# Altium PCB LoadWrover_HRD.PcbDoc (continued)
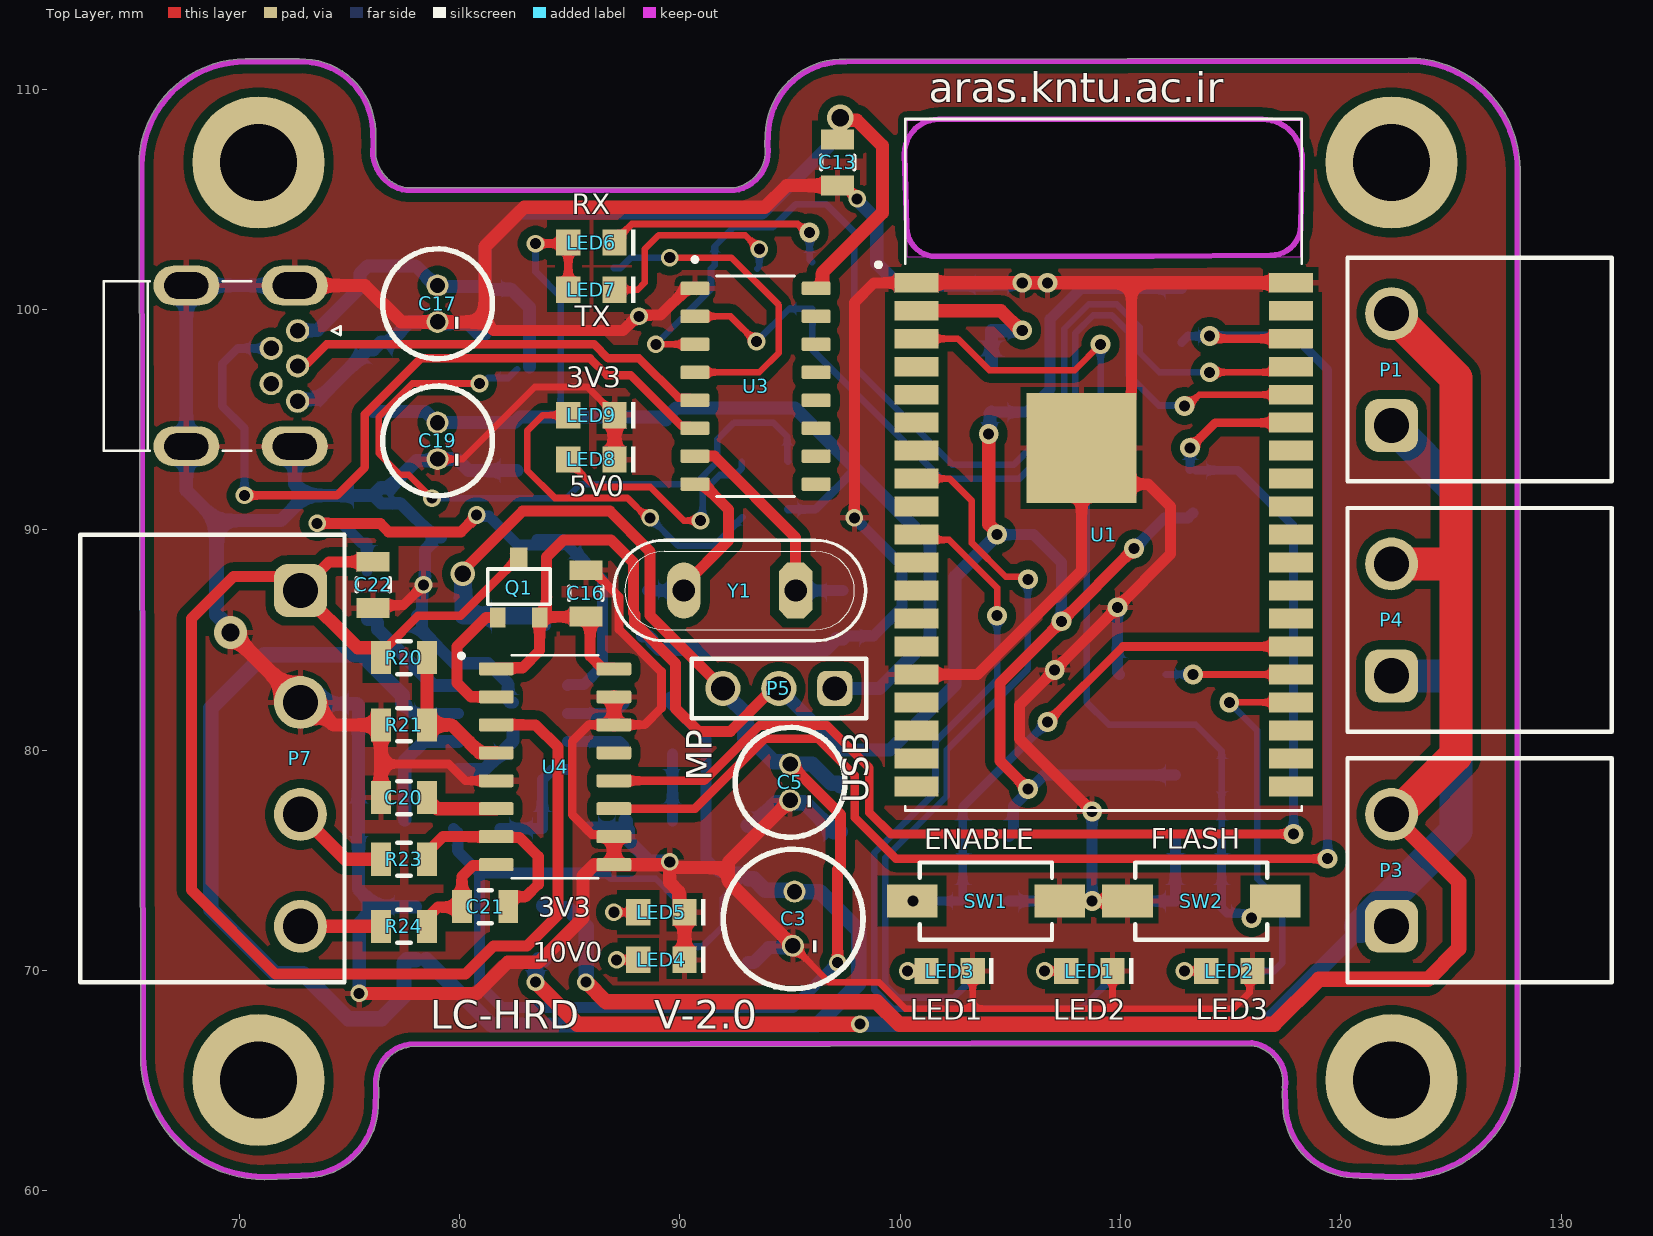
[diagram p0: Top Layer view]
## Footprints (in the part's own frame and the unit in brackets; to place one, negate y for a bottom-side part, rotate by r counter-clockwise, add the part's x,y. Pads: shape width x height; smd on the part's side, far side on the other; paste and mask are expansions set on the pad) (continued)
MY_SMD_TRANSISTOR [mm]
  rect 0.9x0.7 smd: B(1.35,-0.95) E(1.35,0.95)
  rect 0.9x0.8 smd: C(-1.37,0)
  silkscreen extent -0.85,-1.4 0.75,1.42, body extent -1.37,-1.5 1.27,1.5, height 1.08
"SMD 805" [mm]
  rect 0.9x1.5 smd: 1(1.05,0) 2(-1.05,0)
  silkscreen extent -0.3,-0.75 0.3,0.75, body extent -1,-0.62 1,0.63, height 0.78
"SMD 805 CAP" [mm]
  rect 0.9x1.5 smd: 1(1.05,0) 2(-1.05,0)
  silkscreen extent -0.3,-0.75 0.3,0.75, body extent -1,-0.62 1,0.63, height 0.78
USB_MINI_Right [mm]
  oval 1.1x1.65 smd far side paste-2 mask+0: 1(-1.6,2.663) 2(-0.8,0.913) 3(0,2.663) 4(0.8,0.913) 5(1.6,2.663)
  round 1.05 hole 0.7: 6(-1.6,2.388) 7(-0.8,1.188) 8(0,2.388) 9(0.8,1.188) 10(1.6,2.388)
  oval 1.8x3 hole 1.2 slot 2 at 90 deg mask+0: 11(-3.65,-2.662) 12(-3.65,2.261) 12(3.65,2.261) 12(3.65,-2.662)
  oval 1.7x2.7 smd far side paste-2 mask+0: S1(-3.65,-2.662) S2(3.65,-2.662)
  silkscreen extent -3.85,-6.41 3.85,4.34, body extent -3.95,-6.43 3.95,2.97, height 3.9
WS-TASV_L6W3.5H4.3_4341x10438x6 [mm] "SMD Tact Switch, body 6x3.5mm"
  rect 2.3x1.5 smd: 1(-3.35,0) 2(3.35,0)
  silkscreen extent -3,-1.75 3,1.75, body extent -4,-1.75 4,1.75, height 4.3

## Part data
C1 C6 C7 C9 C12 C13 C14 C15 C16 C20 C21 C22: library part "CAP B", "1uf"
C2 C4 C8 C10 C11 C18: library part "CAP B"
C3: library part "Cap Pol_6mm", "CAP-3300Uf"
C5 C17 C19: library part "Cap Pol_5mm", "CAP-3300Uf"
D1 D3 D4 D5: library part MiniMelf_500mW, "MiniMelf_500mW", Package=None, Availability=Unavailable, MP=ZM4736A_L0, Price=None
L1: library part Inductor4*4*3
P1 P3 P4: "WR-TBL Series 312 Open Horizontal PCB Header, THT, pitch 5.08mm, 2p", Manufacturer="Wurth Elektronik", Operating Temperature Max=105°C, Operating Temperature Min=-40°C, Rated Current=20A, Working Voltage=300V, Application=Pluggable, Category="Terminal Blocks", ComponentLink1Description="Website Link", ComponentLink1URL=https://www.we-online.com/redexpert/article/691312510002?ad, ComponentLink2Description="Datasheet Link", ComponentLink2URL=https://www.we-online.com/redexpert/spec/691312510002?ad, Manufacturer Part Number=691312510002, Match Code=WR-TBL, Modularity=No, Mount="Through Hole", Number of Pins=2, Number of Rows=1, Orientation=Horizontal, Packaging=Box, Pitch=5.08mm
P5: "WR-PHD Pin Header, THT, Vertical, pitch 2.54mm, 1 Row, 3P", Contact Resistance=20mΩ, Manufacturer="Wurth Elektronik", Operating Temperature Max=105°C, Operating Temperature Min=-40°C, Rated Current=3A, Withstanding Voltage=500V, Working Voltage=250V, Category="Board-to-Board Connectors", ComponentLink1Description="Website Link", ComponentLink1URL=https://www.we-online.com/redexpert/article/61300311121?ad, ComponentLink2Description="Datasheet Link", ComponentLink2URL=https://www.we-online.com/redexpert/spec/61300311121?ad, Gender="Pin Header", Manufacturer Part Number=61300311121, Match Code=WR-PHD, Mount="Through Hole", Number of Pins=3, Number of Rows=1, Orientation=Vertical, Packaging=Bag, Pitch=2.54mm
P7: "WR-TBL Series 312 Open Horizontal PCB Header, THT, pitch 5.08mm, 4p", Manufacturer="Wurth Elektronik", Operating Temperature Max=105°C, Operating Temperature Min=-40°C, Rated Current=20A, Working Voltage=300V, Application=Pluggable, Category="Terminal Blocks", ComponentLink1Description="Website Link", ComponentLink1URL=https://www.we-online.com/redexpert/article/691312510004?ad, ComponentLink2Description="Datasheet Link", ComponentLink2URL=https://www.we-online.com/redexpert/spec/691312510004?ad, Manufacturer Part Number=691312510004, Match Code=WR-TBL, Modularity=No, Mount="Through Hole", Number of Pins=4, Number of Rows=1, Orientation=Horizontal, Packaging=Box, Pitch=5.08mm
Q1: library part "3906 SMD TRANSISTOR", "PNP 60V 625mW IC=200mA"
R1 R2 R3 R4 R5 R6 R7 R8 R9 R10 R11 R12 R13 R14 R15 R16 R17 R18 R19 R20 R21 R22 R23 R24: library part Resistor
SW1 SW2: library part 434111043826, "WS-TASV SMT Tact Switch, L6 x W3.5 x H4.3mm, 260g, SPST-NO, 12V, 50mA", Manufacturer="Wurth Elektronik", Operating Temperature Max=85°C, Operating Temperature Min=-40°C, Rated Current=50mA, Rated Voltage (DC)=12V, Category="Tact Switches", Circuit=SPST-NO, ComponentLink1Description="Website Link", ComponentLink1URL=https://www.we-online.com/redexpert/article/434111043826?ad, ComponentLink2Description="Datasheet Link", ComponentLink2URL=https://www.we-online.com/redexpert/spec/434111043826?ad, Contact Material="Stainless Steel", Contact Plating=Silver, Height=4.3mm, Length=6mm, Manufacturer Part Number=434111043826, Match Code=WS-TASV, Mount="Surface Mount", Operation Force=260g, Packaging="Tape and Reel", Terminal Material="Copper Alloy", Terminal Plating=Silver, Washable=No, Width=3.5mm
Y1: "Crystal"

## Free pads (board coordinates)
  round 6 hole 3.5: ""(70.866,65.024) ""(70.866,106.68) ""(122.301,65.024) ""(122.301,106.68)

## Via types
v1: diameter 0.9, hole 0.5, Top Layer to Bottom Layer, 27 vias
v2: diameter 0.8, hole 0.5, Top Layer to Bottom Layer, 27 vias
v3: diameter 1.2, hole 0.8, Top Layer to Bottom Layer, 1 vias
v4: diameter 1.5, hole 0.8, Top Layer to Bottom Layer, 1 vias
v5: diameter 1.1, hole 0.75, Top Layer to Bottom Layer, 1 vias

## Nets (pads, with @x,y where several pads share a name; then routed paths per layer and width w, separated by ;. In a path a pad name is that pad's centre, name@x,y a point inside that pad or via, vN(x,y) a via of type N, cw(c..) or ccw(c..) an arc to the next point about the centre after c; other vN are vias at no path point)
+3V3: C16.2 P5.2 Q1.E R4.1 R5.2 R13.2 R14.1 R15.1 U4.1 U4.16 | length 99.4
  Top Layer w0.5: U4.1 81.703,83.738 82.849,83.738 83.627,84.516 Q1.E ; Q1.E@83.65,86.049 Q1.E@83.947,86.049 ; U4.16 86.953,83.738 86.458,83.738 85.925,84.271 85.925,85.872 C16.2 85.598,86.072 85.575,86.049 Q1.E@83.947,86.049 ; P5.2@94.659,82.594 94.024,82.594 92.282,80.852 90.852,80.852 89.804,81.9 89.804,83.932 87.946,85.79 87.946,86.171 87.884,86.233 87.884,88.519 86.868,89.535 84.709,89.535 83.947,88.773 Q1.E@83.947,86.049 ; v1(105.791,78.232) 104.521,79.502 104.521,83.058 v1(107.315,85.852) v1(110.617,89.154)
  Top Layer w0.6: v1(104.013,94.361) 104.013,90.251 104.394,89.87 v1(104.394,89.789)
  Bottom Layer w0.5: R5.2 105.757,95.343 106.807,96.393 106.807,99.568 108.204,100.965 R14.1@112.776,100.965 ; v1(104.394,89.789) 106.045,89.789 107.315,88.519 v1(107.315,85.852) ; R4.1 105.136,76.273 105.136,77.469 105.791,78.124 v1(105.791,78.232) 105.899,78.232 106.534,78.867 R13.2 ; v1(110.617,89.154) 112.002,90.539 113.052,90.539 R15.1 R15.1@113.28,90.767
  Bottom Layer w0.6: P5.2 97.282,80.01 99.534,80.01 102.489,82.965 102.489,87.884 v1(104.394,89.789) ; v1(104.013,94.361) 104.07,94.418 104.07,95.273 R5.2
+3V3_MP: C1.2 C5.+ C6.2 D3.2 L1.2 P5.3 R7.2 R10.2 | length 77.5
  Top Layer w0.5: v5(80.137,88.011) 80.137,88.138 82.847,90.848 86.825,90.848 88.646,89.027 88.646,86.106 91.542,83.21 91.626,83.21 92.031,82.804 P5.3@92.329,82.804 ; C5.+ 97.282,77.089 97.282,74.717 97.155,74.59 v2(97.155,70.358)
  Bottom Layer w0.3: 86.614,74.422 86.868,74.168 88.9,74.168 89.824,73.244 89.904,73.244 90.204,72.944 R7.2
  Bottom Layer w0.5: R10.2 79.922,76.254 79.922,75.399 80.899,74.422 ; C1.2@80.154,86.123 C1.2 ; L1.2@83.438,86.106 L1.2@83.886,85.658 ; 86.614,74.422 80.899,74.422 ; v2(97.155,70.358) 95.123,68.326 81.915,68.326 80.899,69.342 80.899,74.422
  Bottom Layer w0.7: P5.3@92.329,82.804 92.178,82.653 92.178,82.447 92.944,81.681 92.944,80.538 D3.2 93.341,80.391 94.261,79.471 94.9,79.471 C5.+ 96,79.375 96.882,78.493 97.182,78.493 C6.2
  Bottom Layer w0.8: v5(80.137,88.011) 80.154,87.994 C1.2@80.154,86.123 ; C1.2 L1.2@83.438,86.106
+3V3_USB: C19.+ D5.2 LED6.2 LED7.2 P5.1 R22.2 REG1.2 REG1.4 | length 53.5
  Top Layer w0.381: v2(83.439,102.997) 84.88,102.997 LED6.2 LED7.2
  Bottom Layer w0.3: v2(83.439,102.997) 83.439,101.727 84.582,100.584 84.582,95.123
  Bottom Layer w0.381: R22.2 96.139,90.932 97.98,92.773
  Bottom Layer w0.6: D5.2 78.442,95.377 78.948,94.872 82.48,94.872 REG1.2 82.731,95.123 84.582,95.123 89.227,95.123 REG1.4 89.354,95.062 89.829,95.537 95.217,95.537 97.98,92.773 101.346,89.408 101.346,85.09 99.06,82.804 P5.1@97.409,82.804
+12V: C3.+ C7.2 D1.2 P2.7 R6.2 R9.1 U2.1 | length 82
  Bottom Layer w0.3: 90.17,67.564 90.204,67.598 ; R6.2 90.204,70.785 90.504,71.085 91.024,71.085 91.948,72.009 91.948,73.275 92.841,74.168 D1.2
  Bottom Layer w0.5: C7.2@77.304,82.242 77.885,81.661 P2.7 ; R9.1 89.569,82.123 91.186,80.506 91.186,75.057 91.778,74.465 92.794,74.465 D1.2
  Bottom Layer w0.7: C7.2 77.404,82.142 77.404,82.489 75.565,84.328 71.12,84.328 68.707,81.915 68.707,72.771 71.628,69.85 72.898,69.85 74.93,67.818 76.454,67.818 77.47,68.834 77.47,70.36 77.595,70.485 U2.1 ; U2.1@78.483,70.485 81.442,67.526 90.17,67.526 96.228,67.526 98.114,69.412 98.114,71.812 96.344,73.582 C3.+ 95.139,73.64 93.869,73.64 93.341,74.168 D1.2
AVDD: C22.1 P7.1 Q1.C R20.2 U4.3 | length 65.5
  Top Layer w0.4: R20.2 76.42,84.499 76.67,84.749 76.748,84.749 78.105,86.106 80.037,86.106 82.427,88.496 82.477,88.496 82.677,88.696 Q1.C
  Top Layer w0.5: C22.1 74.075,88.553 P7.1 72.136,87.884 69.723,87.884 67.818,85.979 67.818,73.66 71.628,69.85 80.264,69.85 81.534,71.12 83.058,71.12 84.455,72.517 84.455,80.137 83.439,81.153 U4.3
  Top Layer w0.6: P7.1 75.371,84.649 76.27,84.649 R20.2@76.42,84.499
BOOT: C4.2 R4.2 SW1.2 U1.25 | length 24.4
  Top Layer w0.4: v1(106.68,81.28) 110.109,84.709 U1.25
  Bottom Layer w0.4: v1(100.584,73.152) C4.2 R4.2 102.836,77.436 v1(106.68,81.28)
D+: P6.3 P6.8 U3.5 | length 19.4
  Top Layer w0.381: P6.8 72.769,97.57 73.106,97.57 73.955,98.42 86.111,98.42 86.741,97.79 88.138,97.79 89.924,96.004 90.432,96.004 U3.5@90.551,95.885
D-: P6.2 P6.7 U3.6 | length 34.5
  Top Layer w0.381: v2(70.231,91.567) 74.422,91.567 75.692,92.837 75.692,95.25 78.232,97.79 85.919,97.79 86.681,97.028 87.757,97.028 90.051,94.734 90.432,94.734 U3.6@90.551,94.615
  Bottom Layer w0.381: v2(70.231,91.567) 70.231,94.615 69.215,95.631 69.215,97.536 69.921,98.242 P6.2 P6.7
ENABLE: C10.2 C11.2 R13.1 SW2.2 U1.3 | length 41.7
  Top Layer w0.3: U1.3 102.616,98.679 104.047,97.248 107.916,97.248 v1(109.093,98.425)
  Bottom Layer w0.3: v1(109.093,98.425) 109.093,94.234 108.458,93.599 108.458,82.169 109.474,81.153 113.411,81.153 114.588,79.976 R13.1 C10.2
  Bottom Layer w0.4: C10.2 114.588,72.852 114.838,72.602 115.604,72.602 115.816,72.39 v1(115.951,72.39)
GND: C1.1 C2.1 C3.- C4.1 C5.- C6.1 C7.1 C10.1 C11.1 C12.2 C13.2 C14.1 C15.1 C16.1 C17.- C18.1 C19.- C20.1 C22.2 D1.1 D2.A D3.1 D4.1 D5.1 LED1.1 LED2.1 LED3.1 LED4.1 LED5.1 LED8.1 LED9.1 P2.5 P2.9 P6.5 P6.10 P6.11 P6.12 P6.S1 P6.S2 P7.2 R8.2 R11.1 R12.1 R16.1 R21.1 REG1.1 SW1.1 SW2.1 U1.1 U1.15 U1.38 U1.39 U2.2 U3.1 U4.5 U4.9 U4.10 U4.14 U4.15 | length 375.9
  Top Layer w0.3: C19.- 80.137,93.218 83.407,96.488 85.802,96.488 87.029,95.26 LED9.1 ; C3.- 96.774,69.469 99.034,69.469 100.239,68.264 103.285,68.264 ; LED3.1 103.285,68.264 ; LED1.1 109.635,68.264 ; LED2.1@115.858,69.976 115.858,68.995 115.127,68.264 109.635,68.264 ; 103.285,68.264 109.635,68.264
  Top Layer w0.4: 76.42,79.375 79.502,79.375 80.264,78.613 U4.5 ; C16.1 86.025,88.172 87.234,86.963 87.234,85.486 89.154,83.566 89.154,81.915 88.392,81.153 U4.14 85.852,81.153 85.105,80.406 85.105,77.074 86.011,76.168 86.903,76.168 U4.10
  Top Layer w0.45: C22.2@76.327,86.453 76.463,86.589 77.445,86.589 v2(78.359,87.503)
  Top Layer w0.5: 81.153,99.441 81.534,99.06 87.422,99.06 88.057,99.695 v2(88.138,99.695) 88.195,99.752 89.12,99.752 90.333,100.965 U3.1@90.551,100.965 ; C13.2 97.455,105.63 98.044,105.041 v2(98.044,105.029) ; v2(97.917,90.551) 97.917,100.33 98.806,101.219 U1.1 ; U1.15 103.505,83.439 108.229,88.163 U1.39 ; v1(108.712,73.152) SW2.1 ; v1(108.712,77.216) 105.41,80.518 105.41,82.042 v1(107.012,83.644) v1(109.855,86.487) 112.268,88.9 112.268,91.059 111.252,92.075 109.873,92.075 U1.39 ; 110.49,101.219 110.49,96.262 110.479,96.251 110.479,95.969 U1.39
  Top Layer w0.6: P6.12@72.514,101.092 75.692,101.092 77.343,99.441 C17.- 81.153,99.441 81.153,102.87 82.931,104.648 93.853,104.648 94.835,105.63 C13.2 ; P7.2 73.258,82.169 74.277,81.15 R21.1 76.42,79.375 C20.1@76.42,78.1 ; v2(75.438,68.961) 80.772,68.961 82.181,70.37 83.578,70.37 85.598,72.39 85.598,74.295 86.106,74.803 U4.9 ; U4.10 U4.9 ; U4.14 U4.15 ; LED8.1 LED9.1 ; v2@89.843,74.676 92.205,74.676 ; LED4.1 LED5.1 89.954,72.894 89.954,73.576 89.535,73.995 v2(89.535,74.93) 89.481,74.93 89.354,74.803 U4.9 ; C5.- 92.205,74.93 92.205,74.676 ; C3.- 92.205,74.038 92.205,74.676 ; U1.1 v1(105.537,101.219) v1(106.68,101.219) 110.49,101.219 U1.38
  Top Layer w0.7: v4(69.596,85.344) P7.2
  Bottom Layer w0.5: C15.1 97.548,85.195 98.784,85.195 100.076,86.487 100.076,88.392 v2(97.917,90.551) ; C4.1 v1(108.712,73.152) ; v1(108.712,77.216) v1(108.712,73.152) ; v1(109.855,86.487) 109.855,83.532 R8.2 ; C10.1 C11.1 v1(108.712,73.152)
  Bottom Layer w0.55: D5.1 76.437,91.203 77.326,91.203 78.777,89.752 78.82,89.752 78.867,89.705 78.867,89.662 D2.A ; D2.A@78.698,89.45 78.74,89.408 78.426,89.094 78.426,87.628 78.292,87.494 78.292,86.327 C1.1 78.296,85.881 78.296,85.407 79.756,83.947 81.28,83.947 82.198,83.029 82.198,82.251 82.28,82.169 P2.9@82.423,82.169
  Bottom Layer w0.6: P6.12@72.514,93.792 72.514,92.078 73.025,91.567 ; P6.12@72.514,101.092 P6.11 P6.S2 67.591,91.794 68.961,90.424 71.882,90.424 73.025,91.567 ; P6.10 72.727,95.928 73.58,95.928 75.823,98.171 D4.1 76.423,98.521 76.812,98.521 77.732,99.441 C17.- 79.071,99.364 80.388,99.364 80.853,98.899 C18.1 C18.1@81.003,99.049 ; P7.2 72.834,82.105 75.34,82.105 C7.1 R12.1 75.404,73.694 76.2,72.898 ; v2(75.438,68.961) 75.438,72.136 76.2,72.898 ; U2.2@77.996,72.898 76.2,72.898 ; P2.5 81.118,79.121 82.423,80.426 P2.9 ; REG1.1 80.405,92.696 79.883,93.218 C19.- 78.922,93.146 78.033,93.146 76.804,91.917 76.423,91.917 D5.1 73.025,91.567 ; R11.1 R16.1@87.376,76.454 ; R16.1 87.568,76.77 87.568,76.454 87.584,76.454 87.653,76.385 87.653,75.923 88.608,74.968 89.497,74.968 v2(89.535,74.93) ; C12.2@88.311,85.183 88.565,85.183 88.715,85.033 88.715,84.933 89.066,84.582 96.635,84.582 97.109,85.056 C15.1 ; D1.1 93.341,70.358 94.026,71.043 95.046,71.043 C3.- ; v2(98.044,105.029) 98.044,104.975 98.933,104.086 98.933,102.108 99.915,101.126 C2.1 104.186,101.173 105.491,101.173 v1(105.537,101.219)
  Bottom Layer w0.7: 68.961,90.424 68.961,86.154 69.596,85.519 v4(69.596,85.344) ; D3.1 93.341,76.581 94.376,77.616 94.891,77.616 C5.- 95.101,77.616 95.659,77.616 96.982,76.293 C6.1
LED_Control_1: R3.2 U1.8 | length 34.1
  Top Layer w0.3: U1.8 102.235,92.329 103.251,91.313 103.251,89.408 104.787,87.872 105.676,87.872 v1(105.791,87.757)
  Bottom Layer w0.3: R3.2 102.985,69.678 102.985,69.33 102.419,68.764 99.892,68.764 99.314,69.342 99.314,75.112 102.108,77.906 102.108,80.01 105.791,83.693 v1(105.791,87.757)
LED_Control_2: R1.2 U1.10 | length 37.3
  Top Layer w0.3: U1.10 100.973,89.545 102.225,89.545 104.394,87.376 v1(104.394,86.106)
  Bottom Layer w0.3: v1(104.394,86.106) 104.394,83.185 101.6,80.391 101.6,78.105 98.814,75.319 98.814,69.135 99.685,68.264 108.221,68.264 109.635,69.678 R1.2
LED_Control_3: R2.2 U1.23 | length 17.3
  Top Layer w0.3: v1@114.808,82.296 v1(114.935,82.169) U1.23
  Bottom Layer w0.3: v1(114.935,82.169) 116.205,80.899 116.205,74.168 117.348,73.025 117.348,70.358 116.968,69.978 R2.2
NetC2_2: C2.2 R5.1 U1.2 | length 8.2
  Top Layer w0.6: U1.2 104.567,99.949 105.456,99.06 v1(105.537,99.06)
  Bottom Layer w0.6: R5.1 C2.2 104.157,99.043 105.52,99.043 v1(105.537,99.06)
NetC8_1: C8.1 P2.8 | length 5.6
  Bottom Layer w0.6: C8.1 76.119,85.945 76.269,85.795 76.269,85.495 78.833,82.931 P2.8
NetC8_2: C8.2 D2.C L1.1 P2.1 | length 25.7
  Top Layer w0.5: v2(73.533,90.297) 76.394,90.297 76.775,89.916 80.062,89.916 80.772,90.626 v2(80.772,90.678)
  Bottom Layer w0.5: v2(73.533,90.297) 74.661,90.297 75.55,89.408 75.79,89.408 C8.2@75.79,88.138 ; v2(80.772,90.678) 80.829,90.621 81.321,90.621 82.634,89.308 L1.1@84.63,89.308 ; L1.1 84.682,89.562 84.783,89.461 84.783,89.409 85.305,88.887 85.357,88.887 86.487,87.757 86.487,83.835 85.633,82.981 84.948,82.981 P2.1
NetC9_1: C9.1 P2.3 | length 3
  Bottom Layer w0.5: P2.3 87.261,80.391 87.469,80.183 C9.1
NetC9_2: C9.2 R16.2 | length 3
  Bottom Layer w0.5: R16.2@89.662,76.782 C9.2@89.662,79.83
NetC12_1: C12.1 U3.8 Y1.2 | length 8.3
  Top Layer w0.5: Y1.2 90.17,87.48 92.202,89.512 92.202,90.932 91.119,92.015 90.611,92.015 U3.8@90.551,92.075
  Bottom Layer w0.5: C12.1@88.519,87.249 Y1.2
NetC14_2: C14.2 U3.4 | length 15
  Top Layer w0.3: v2(89.535,102.362) 92.329,102.362 94.488,100.203 94.488,98.044 93.599,97.155 U3.4@90.551,97.155
  Bottom Layer w0.3: C14.2 87.295,101.888 87.769,102.362 v2(89.535,102.362)
NetC15_2: C15.2 U3.7 Y1.1 | length 10.8
  Top Layer w0.5: U3.7@90.551,93.345 91.567,93.345 95.25,89.662 Y1.1
  Bottom Layer w0.5: Y1.1 C15.2@97.409,87.249
NetC20_2: C20.2 U4.6 | length 3.6
  Top Layer w0.6: C20.2@78.52,78.1 78.52,77.8 78.977,77.343 U4.6
NetC21_1: C21.1 R24.1 U4.8 | length 5.3
  Top Layer w0.5: R24.1 78.72,72.201 78.72,72.584 79.013,72.876 80.103,72.876 80.103,74.261 80.6,74.758 81.613,74.758 U4.8
NetC21_2: C21.2 R23.1 U4.7 | length 9.2
  Top Layer w0.5: R23.1 78.52,75.35 79.243,76.073 U4.7 81.7,76.031 82.719,76.031 83.566,75.184 83.566,73.914 83.007,73.355 82.403,73.355 82.203,73.155 C21.2
NetLED1_2: LED1.2 R1.1 | length 2
  Top Layer w0.3: v2(106.554,69.976) LED1.2
  Bottom Layer w0.3: v2(106.554,69.976) 107.533,69.976 R1.1
NetLED2_2: LED2.2 R2.1 | length 2
  Top Layer w0.3: v2(112.903,69.977) LED2.2@113.884,69.977
  Bottom Layer w0.3: v2(112.903,69.977) R2.1@113.884,69.977
NetLED3_2: LED3.2 R3.1 | length 1.7
  Top Layer w0.3: v2(100.331,69.976) LED3.2
  Bottom Layer w0.3: v2(100.331,69.976) 101.183,69.976 R3.1
NetLED4_2: LED4.2 R6.1 | length 2
  Top Layer w0.3: v2(87.122,70.485) LED4.2
  Bottom Layer w0.3: v2(87.122,70.485) R6.1
NetLED5_2: LED5.2 R7.1 | length 2.2
  Top Layer w0.3: v2(86.995,72.644) LED5.2
  Bottom Layer w0.3: v2(86.995,72.644) R7.1
NetLED6_1: LED6.1 R17.2 | length 10.8
  Top Layer w0.3: LED6.1@87.03,103.097 87.819,103.886 95.342,103.886 95.723,103.505 v1(95.885,103.505)
  Bottom Layer w0.3: v1(95.885,103.505) 95.885,102.269 R17.2
NetLED7_1: LED7.1 R19.2 | length 9.7
  Top Layer w0.3: LED7.1 88.079,100.906 88.392,101.219 88.392,102.743 89.027,103.378 92.964,103.378 v2(93.599,102.743)
  Bottom Layer w0.3: R19.2 93.599,101.947 v2(93.599,102.743)
NetLED8_2: LED8.2 R18.1 | length 11
  Top Layer w0.3: LED8.2 84.929,93.147 86.128,91.948 88.646,91.948 90.17,90.424 v2(90.932,90.424)
  Bottom Layer w0.3: v2(90.932,90.424) 91.028,90.52 91.028,91.718 91.801,92.491 92.503,92.491 92.803,92.791 R18.1
NetLED9_2: LED9.2 R22.1 | length 15.7
  Top Layer w0.3: LED9.2 83.78,95.21 83.058,94.488 83.058,92.71 84.32,91.448 87.614,91.448 88.511,90.551 v2(88.646,90.551)
  Bottom Layer w0.3: v2(88.646,90.551) 89.916,89.281 91.536,89.281 R22.1@92.837,90.582
NetP2_2: P2.2 R9.2 | length 3.1
  Bottom Layer w0.5: P2.2 87.007,81.661 87.469,82.123 R9.2
NetP2_4: P2.4 R10.1 R11.2 | length 5.5
  Bottom Layer w0.5: R10.1 R11.2 83.752,78.66 84.213,79.121 P2.4
NetP2_6: P2.6 R12.2 | length 5.5
  Bottom Layer w0.6: R12.2 77.504,79.536 78.359,80.391 P2.6
NetQ1_B: Q1.B U4.2 | length 6.1
  Top Layer w0.5: U4.2 80.518,82.423 79.883,83.058 79.883,84.709 81.2,86.026 Q1.B
NetR8_1: R8.1 U1.24 | length 5.9
  Top Layer w0.3: v1(113.284,83.439) U1.24
  Bottom Layer w0.3: R8.1 v1(113.284,83.439) v1@113.411,83.312
NetR20_1: R20.1 R21.2 U4.4 | length 6.7
  Top Layer w0.6: R20.1 R21.2 79.632,81.15 80.899,79.883 U4.4
PowerPin1: P1.1 P3.1 P4.1 U2.4 | length 70.1
  Top Layer w0.7: v2(83.439,69.469) 85.344,67.564 v2(98.171,67.564)
  Bottom Layer w0.7: v2(83.439,69.469) 83.458,69.488 83.458,70.36 83.583,70.485 U2.4 ; v2(98.171,67.564) 116.56,67.564 120.904,71.908 120.904,72.009
  Bottom Layer w1.5: 120.904,72.009 125.222,76.327 125.222,83.375 ; P4.1 125.222,83.375 ; P1.1 125.222,91.821 125.222,83.375
PowerPin2: P1.2 P3.2 P4.2 U2.3 | length 82
  Top Layer w0.7: v2(85.725,69.469) 85.752,69.469 86.641,68.58 98.933,68.58 99.949,67.564 116.967,67.564 118.999,69.596 123.952,69.596 125.349,70.993 125.349,74.041 P3.2
  Top Layer w1.5: P4.2 125.222,88.455 ; P1.2 125.222,96.901 125.222,88.455 ; P3.2@122.545,77.089 125.222,79.766 125.222,88.455
  Bottom Layer w0.7: U2.3 83.945,72.81 84.924,72.81 85.753,71.981 85.753,71.402 85.744,71.393 85.744,69.488 v2(85.725,69.469)
RX_ESP: R17.1 U1.34 U3.2 | length 41.1
  Top Layer w0.3: U3.2 92.292,99.695 93.472,98.515 v2@93.472,98.425 ; v1(112.903,95.631) 113.065,95.631 113.573,96.139 U1.34
  Bottom Layer w0.3: v2(93.472,98.552) 94.962,100.042 R17.1 96.012,98.171 101.854,92.329 105.41,92.329 107.95,94.869 107.95,98.933 108.76,99.743 109.608,99.743 110.363,98.988 110.363,97.028 111.741,95.65 112.884,95.65 v1(112.903,95.631)
S+: P7.4 R24.2 | length 3.7
  Top Layer w0.6: P7.4 72.775,72.005 76.416,72.005 R24.2
S-: P7.3 R23.2 | length 4.5
  Top Layer w0.6: P7.3 74.81,75.05 R23.2
SCL: R14.2 U1.36 U4.11 | length 70.4
  Top Layer w0.4: U4.11 90.678,77.343 93.853,80.518 96.266,80.518 97.932,78.852 97.932,76.947 99.805,75.074 v1(119.397,75.074) ; v1@114.046,98.679 U1.36
  Bottom Layer w0.4: R14.2@112.776,98.511 113.071,98.806 113.088,98.789 114.029,98.789 v1(114.046,98.806) 117.856,98.806 119.397,97.265 v1(119.397,75.074)
SDA: R15.2 U1.33 U4.12 | length 60.6
  Top Layer w0.4: U4.12 91.099,78.613 93.604,81.118 96.682,81.118 98.595,79.205 98.595,77.173 99.568,76.2 v1(117.856,76.2) ; v1(113.157,93.726) 114.3,94.869 U1.33
  Bottom Layer w0.4: R15.2 v1(113.157,93.726) ; R15.2@113.411,92.71 115.316,92.71 117.856,90.17 v1(117.856,76.2)
Sensor_VN: U1.5
Sensor_VP: U1.4
TX_ESP: R19.1 U1.35 U3.3 | length 50.1
  Top Layer w0.3: v2(88.9,98.425) U3.3 ; v1(114.046,97.155) 117.475,97.155 U1.35
  Bottom Layer w0.3: v2(88.9,98.425) 91.406,100.931 R19.1 91.575,102.023 91.575,102.878 92.441,103.744 94.219,103.744 95.25,104.775 96.647,104.775 97.917,103.505 97.917,97.409 102.362,92.964 105.156,92.964 107.442,95.25 107.442,99.132 108.553,100.243 109.815,100.243 110.871,99.187 110.871,98.044 111.76,97.155 v1(114.046,97.155)
VBUS: C13.1 C17.+ C18.2 D4.2 P6.1 P6.6 R18.2 REG1.3 U3.16 | length 78.4
  Top Layer w0.3: v2(78.74,91.44) 77.676,92.504 77.295,92.504 76.327,93.472 76.327,95.121 77.853,96.647 v2(80.899,96.647)
  Top Layer w0.6: U3.16 96.454,100.965 96.464,100.975 96.464,101.671 99.187,104.394 99.187,107.442 98.032,108.597 97.397,108.597 v3(97.282,108.712)
  Bottom Layer w0.3: v2(78.74,91.44) 84.836,91.44 85.471,92.075 90.678,92.075 91.694,93.091 91.694,94.107 92.456,94.869 94.234,94.869 94.869,94.234 94.869,93.125 R18.2 ; v2(80.899,96.647) 81.034,96.647 81.283,96.896 82.204,96.896 REG1.3
  Bottom Layer w0.6: P6.6 72.657,99.058 73.531,99.058 75.473,101 75.473,101.631 75.823,101.981 D4.2 77.999,101.981 78.886,101.095 C17.+ 79.042,101.047 81.105,101.047 C18.2 ; REG1.3@83.169,97.393 83.169,100.092 82.344,100.917 81.235,100.917 C18.2 ; v3(97.282,108.712) 97.202,108.632 97.202,107.87 93.726,104.394 82.677,104.394 81.153,102.87 C18.2
pads on no net: P6.4 P6.9 U1.6 U1.7 U1.9 U1.11 U1.12 U1.13 U1.14 U1.16 U1.17 U1.18 U1.19 U1.20 U1.21 U1.22 U1.26 U1.27 U1.28 U1.29 U1.30 U1.31 U1.32 U1.37 U3.9 U3.10 U3.11 U3.12 U3.13 U3.14 U3.15 U4.13

## Polygon pours and split planes (outlines as drawn)
GND on Bottom Layer "NONET_L-01_P-001" (solid, remove dead copper, pour order 0): 66.548,109.601 66.929,109.982 67.183,109.982 67.183,110.109 67.691,110.617 67.945,110.617 68.199,110.871 68.453,110.871 68.58,110.998 68.961,110.998 69.215,111.252 73.66,111.252 73.914,110.998 74.168,110.998 74.549,110.617 74.676,110.617 75.438,109.855 75.438,109.728 75.819,109.347 75.819,109.22 76.073,108.966 76.073,108.712 76.2,108.585 76.2,107.823 76.327,107.696 76.327,106.426 76.581,106.172 76.581,106.045 76.835,105.791 77.089,105.791 77.216,105.664 77.851,105.664 78.105,105.41 92.837,105.41 93.599,106.172 93.599,106.299 93.853,106.553 93.853,106.807 93.98,106.934 93.98,108.585 94.107,108.712 94.107,109.093 94.742,109.728 94.742,109.855 96.012,111.125 96.647,111.125 96.774,111.252 98.933,111.252 99.06,111.379 123.698,111.379 123.952,111.125 124.46,111.125 124.714,110.871 125.222,110.871 125.476,110.617 125.603,110.617 125.857,110.363 125.984,110.363 126.365,109.982 126.619,109.982 126.873,109.728 126.746,109.601 126.873,109.601 127.127,109.347 127.127,109.22 127.635,108.712 127.635,108.585 128.016,108.204 128.016,107.696 128.143,107.569 128.143,106.172 128.016,106.045 128.143,105.918 128.143,64.516 127.762,64.135 127.762,63.627 127.508,63.373 127.508,62.992 126.619,62.103 126.619,61.976 126.238,61.595 125.984,61.595 125.476,61.087 125.095,61.087 124.841,60.833 124.333,60.833 124.206,60.706 123.952,60.706 123.825,60.579 123.444,60.579 123.317,60.452 121.793,60.452 121.539,60.706 120.777,60.706 120.65,60.833 120.015,60.833 119.761,61.087 118.872,61.087 117.729,62.23 117.729,62.611 117.602,62.738 117.602,63.246 117.475,63.373 117.475,64.135 117.348,64.262 117.348,65.532 117.221,65.659 117.221,65.913 116.967,66.167 116.84,66.167 116.586,66.421 116.078,66.421 115.697,66.802 77.47,66.802 77.089,66.421 76.835,66.421 76.2,65.786 76.2,65.532 76.073,65.405 76.073,64.77 76.2,64.643 76.2,62.992 76.073,62.865 76.073,62.484 75.311,61.722 75.311,61.595 74.93,61.214 74.422,61.214 74.168,60.96 73.406,60.96 73.152,60.706 71.628,60.706 71.501,60.833 69.342,60.833 69.088,61.087 68.834,61.087 67.437,62.484 67.056,62.484 66.675,62.865 66.675,62.992 66.294,63.373 66.294,63.754 65.786,64.262 65.786,65.024 65.659,65.151 65.659,107.569 65.532,107.696
GND on Top Layer "NONET_L-01_P-001" (solid, remove dead copper, pour order 2): 66.731,109.396 67.112,109.777 67.366,109.777 67.366,109.904 67.874,110.412 68.128,110.412 68.382,110.666 68.636,110.666 68.763,110.793 69.144,110.793 69.398,111.047 73.843,111.047 74.097,110.793 74.351,110.793 74.732,110.412 74.859,110.412 75.621,109.65 75.621,109.523 76.002,109.142 76.002,109.015 76.256,108.761 76.256,108.507 76.383,108.38 76.383,107.618 76.51,107.491 76.51,106.221 76.764,105.967 76.764,105.84 77.018,105.586 77.272,105.586 77.399,105.459 78.034,105.459 78.288,105.205 93.02,105.205 93.782,105.967 93.782,106.094 94.036,106.348 94.036,106.602 94.163,106.729 94.163,108.38 94.29,108.507 94.29,108.888 94.925,109.523 94.925,109.65 96.195,110.92 96.83,110.92 96.957,111.047 99.116,111.047 99.243,111.174 123.881,111.174 124.135,110.92 124.643,110.92 124.897,110.666 125.405,110.666 125.659,110.412 125.786,110.412 126.04,110.158 126.167,110.158 126.548,109.777 126.802,109.777 127.056,109.523 126.929,109.396 127.056,109.396 127.31,109.142 127.31,109.015 127.818,108.507 127.818,108.38 128.199,107.999 128.199,107.491 128.326,107.364 128.326,105.967 128.199,105.84 128.326,105.713 128.326,64.311 127.945,63.93 127.945,63.422 127.691,63.168 127.691,62.787 126.802,61.898 126.802,61.771 126.421,61.39 126.167,61.39 125.659,60.882 125.278,60.882 125.024,60.628 124.516,60.628 124.389,60.501 124.135,60.501 124.008,60.374 123.627,60.374 123.5,60.247 121.976,60.247 121.722,60.501 120.96,60.501 120.833,60.628 120.198,60.628 119.944,60.882 119.055,60.882 117.912,62.025 117.912,62.406 117.785,62.533 117.785,63.041 117.658,63.168 117.658,63.93 117.531,64.057 117.531,65.327 117.404,65.454 117.404,65.708 117.15,65.962 117.023,65.962 116.769,66.216 116.261,66.216 115.88,66.597 77.653,66.597 77.272,66.216 77.018,66.216 76.383,65.581 76.383,65.327 76.256,65.2 76.256,64.565 76.383,64.438 76.383,62.787 76.256,62.66 76.256,62.279 75.494,61.517 75.494,61.39 75.113,61.009 74.605,61.009 74.351,60.755 73.589,60.755 73.335,60.501 71.811,60.501 71.684,60.628 69.525,60.628 69.271,60.882 69.017,60.882 67.62,62.279 67.239,62.279 66.858,62.66 66.858,62.787 66.477,63.168 66.477,63.549 65.969,64.057 65.969,64.819 65.842,64.946 65.842,107.364 65.715,107.491

## Keep-outs
Keep-Out Layer:
  lines w0.254: 65.638,66.139 ccw(c71.138,66.139) 71.138,60.638 72.832,60.706 ccw(c72.937,63.947) 76.178,63.843 76.2,64.516 ; 65.638,66.139 65.571,106.547 cw(c70.276,106.547) 70.276,111.252 72.715,111.252 cw(c72.819,108.021) 76.051,108.125 76.073,107.442 ccw(c77.851,107.188) 77.597,105.41 92.456,105.41 ccw(c92.202,107.188) 93.98,107.442 93.996,107.946 cw(c97.408,107.836) 97.518,111.248 ; 76.2,64.626 cw(c77.978,64.88) 77.724,66.658 115.951,66.721 cw(c115.697,64.943) 117.475,64.689 ; 97.536,111.247 123.051,111.288 cw(c123.051,106.323) 128.016,106.323 128.016,65.823 cw(c122.838,65.823) 122.838,60.645 122.537,60.638 120.843,60.706 cw(c120.738,63.947) 117.497,63.843 117.475,64.516

## Silkscreen, mask and mechanical layers (free items; w line width, h text height)
Top Overlay:
  text "aras.kntu.ac.ir" at 101.282,108.966 h2.33
  text "RX" at 85.09,104.013 h1.6
  text "TX" at 85.217,98.933 h1.6
  text "3V3" at 84.836,96.158 h1.6
  text "5V0" at 84.963,91.205 h1.6
  text "MP" at 91.821,78.613 h2 r90
  text "USB" at 98.933,77.597 h2 r90
  text "FLASH" at 111.379,75.203 h1.6
  text "ENABLE" at 101.092,75.184 h1.6
  text "3V3" at 83.566,72.137 h1.52
  text "10V0" at 83.312,70.105 h1.52
  text "LED3" at 113.411,67.476 h1.6
  text "LED2" at 106.934,67.456 h1.6
  text "LED1" at 100.457,67.437 h1.6
  text "LC-HRD      V-2.0" at 78.661,66.913 h2.2
Bottom Overlay:
  drawing of 10 lines, arcs and shapes, not listed
  text "EX1" at 126.873,96.647 h2.5
  text "AVDD" at 71.12,86.868 h2
  text "EX2" at 126.873,85.344 h2.5
  text "GND" at 71.12,81.534 h2
  text "S-" at 71.12,76.327 h2
  text "EX3" at 126.873,73.944 h2.5
  text "S+" at 71.12,71.501 h2

## Text inside footprints (layer, text, board x,y; h text height)
C3: Top Overlay "-" at 95.545,71.467 h1.52 r270
C5: Top Overlay "-" at 95.29,78.041 h1.52 r270
C17: Top Overlay "-" at 79.288,99.761 h1.52 r270
C19: Top Overlay "-" at 79.288,93.538 h1.52 r270